# Altium PCB BACKPMANv20.PcbDoc (part 1 of 4) (continued)
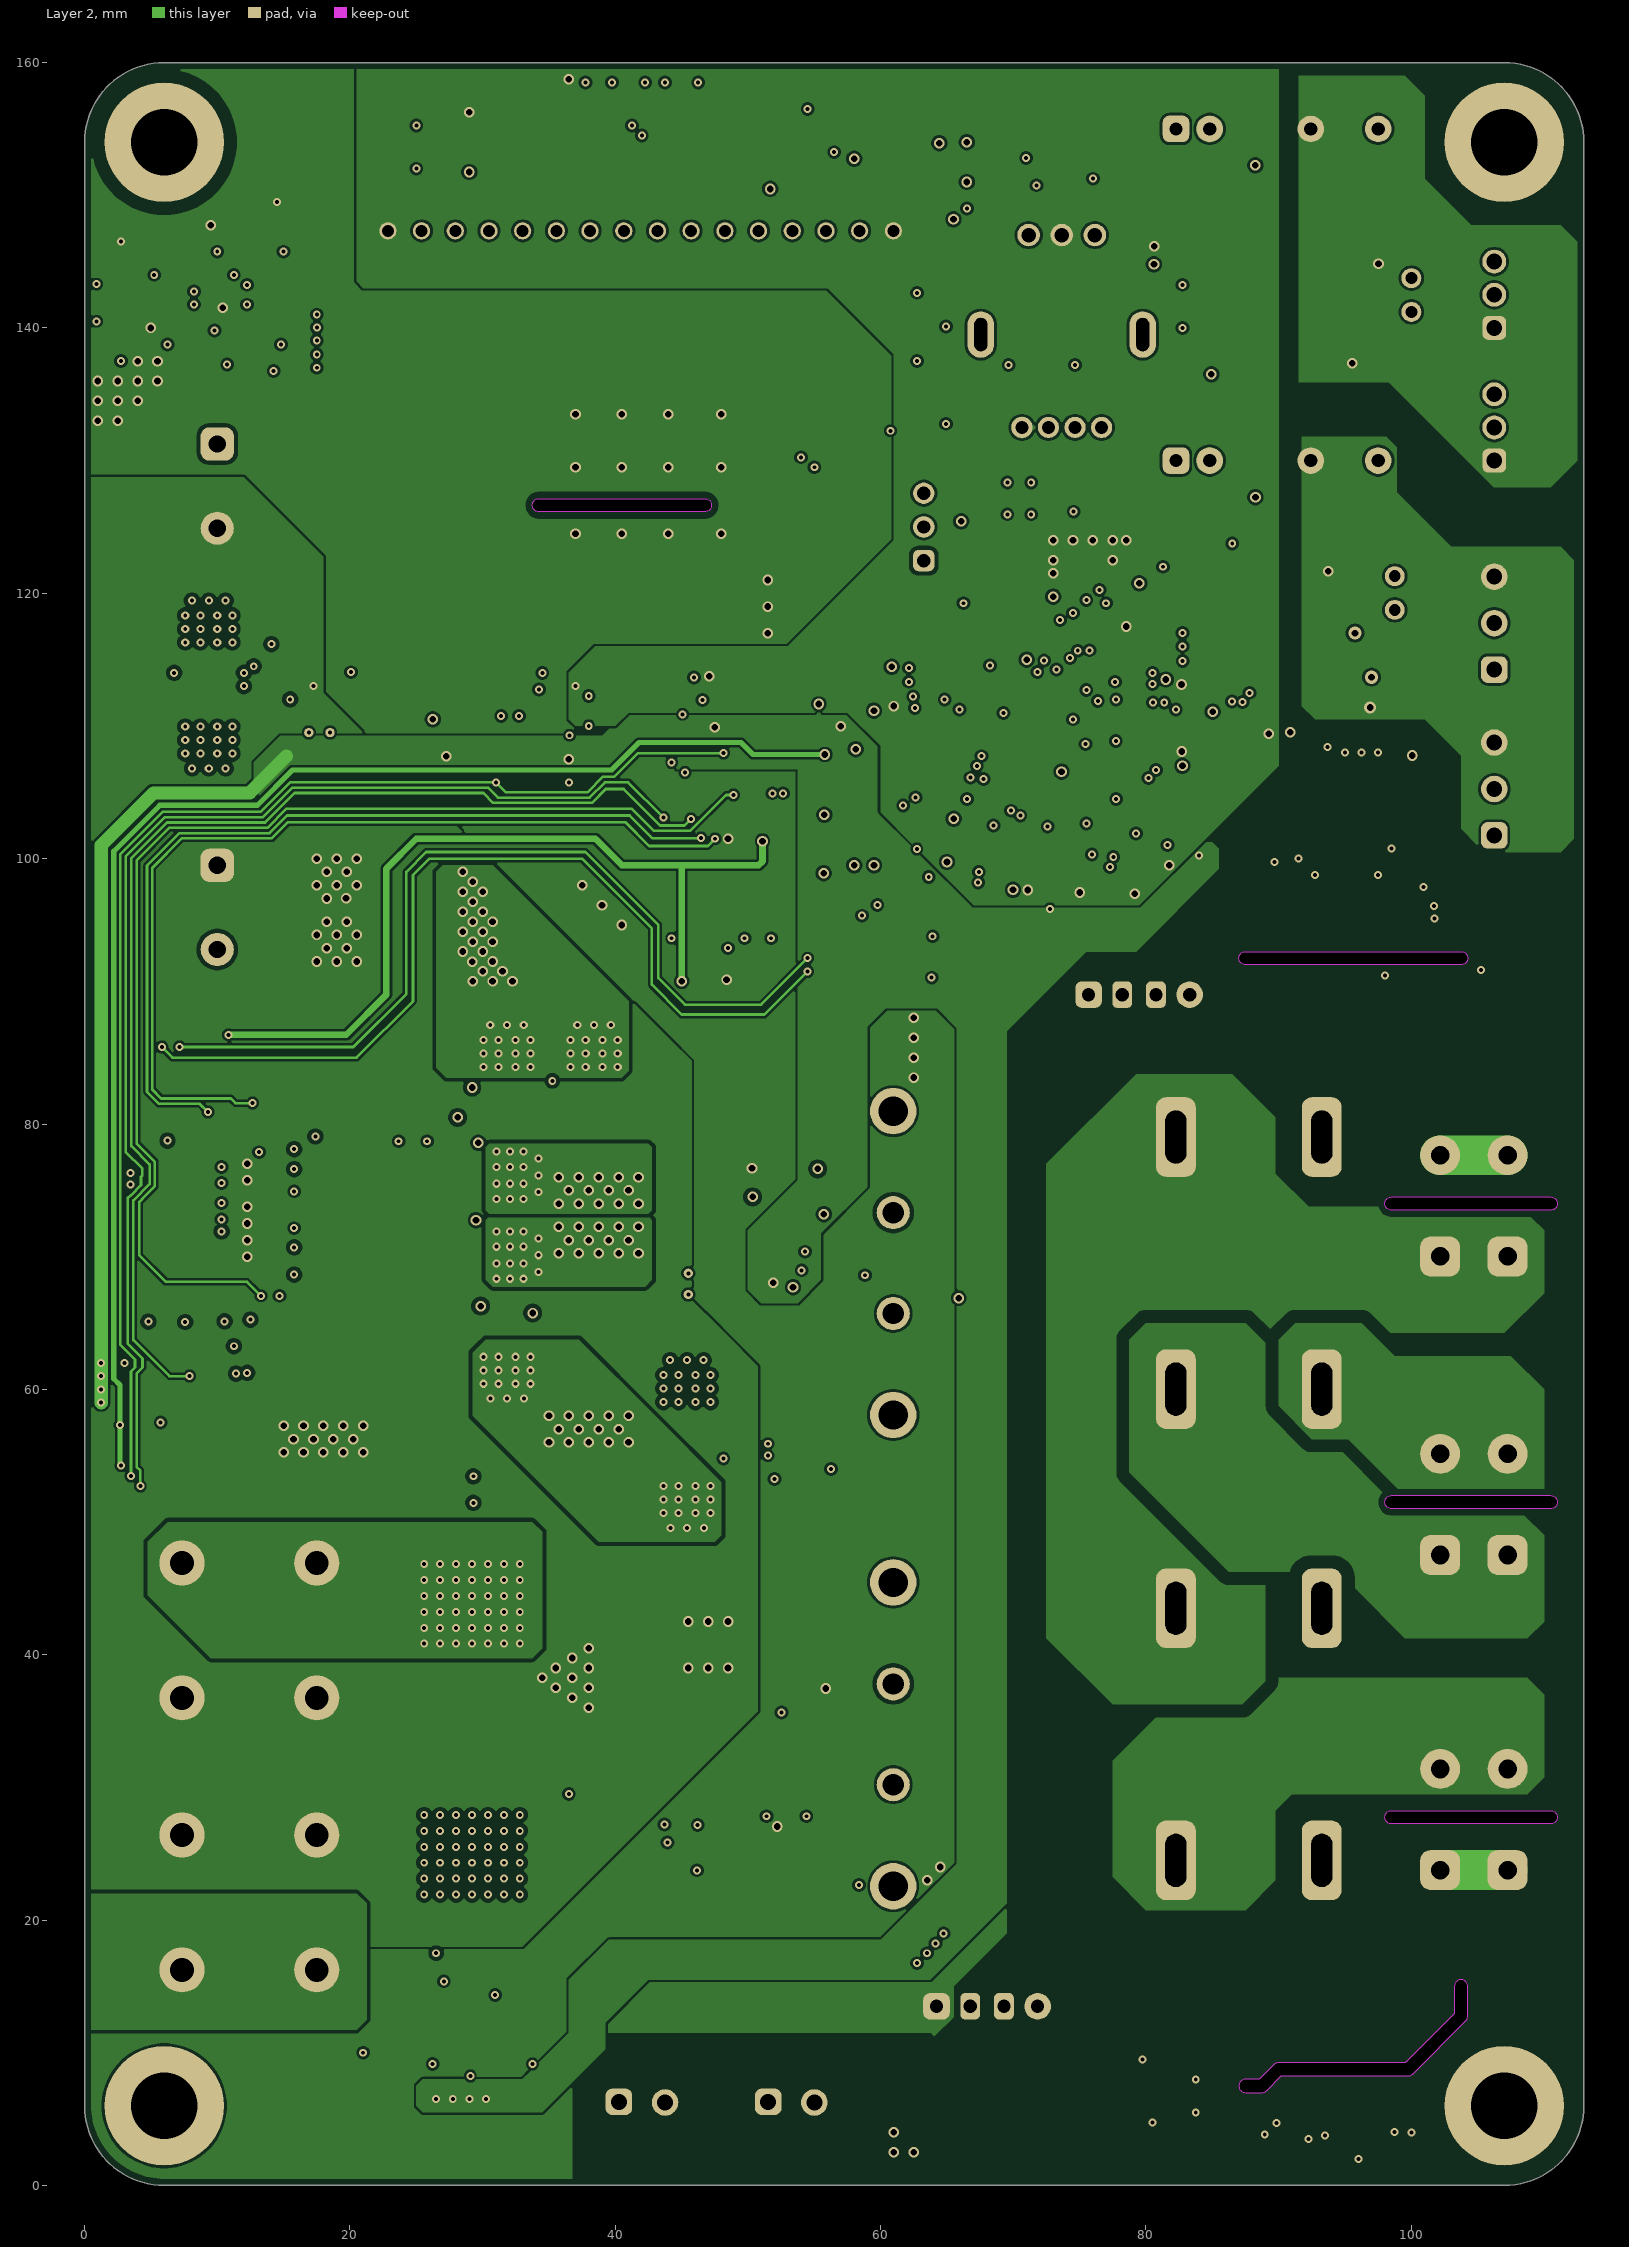
[diagram p3: Layer 2]
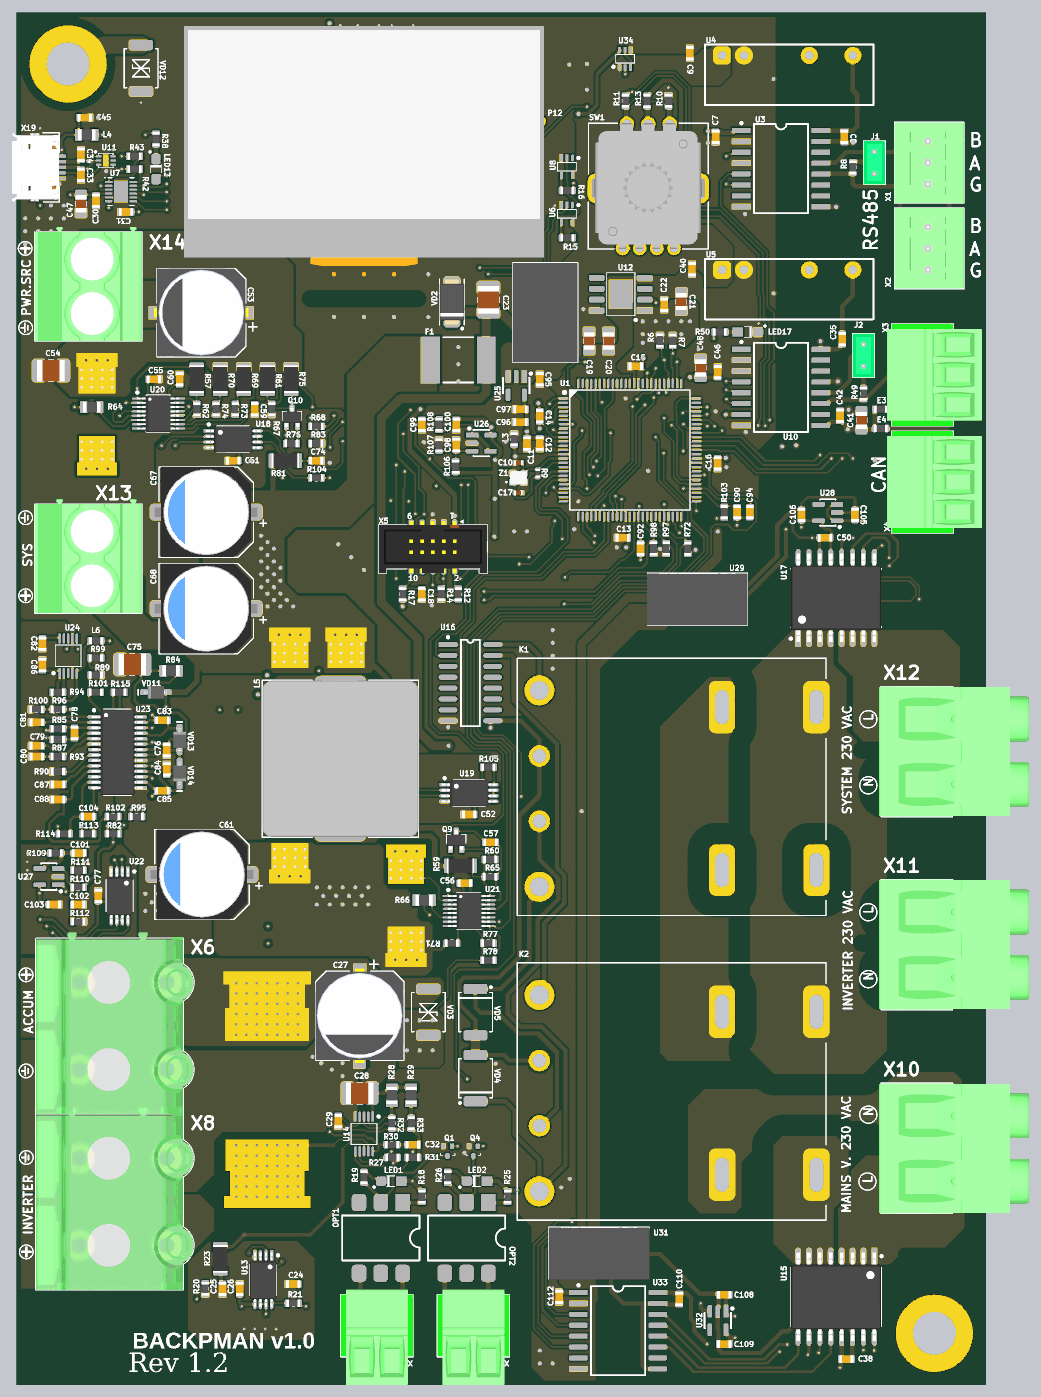
[diagram p7: 3D render of the assembled board from above, using the file's embedded part models]
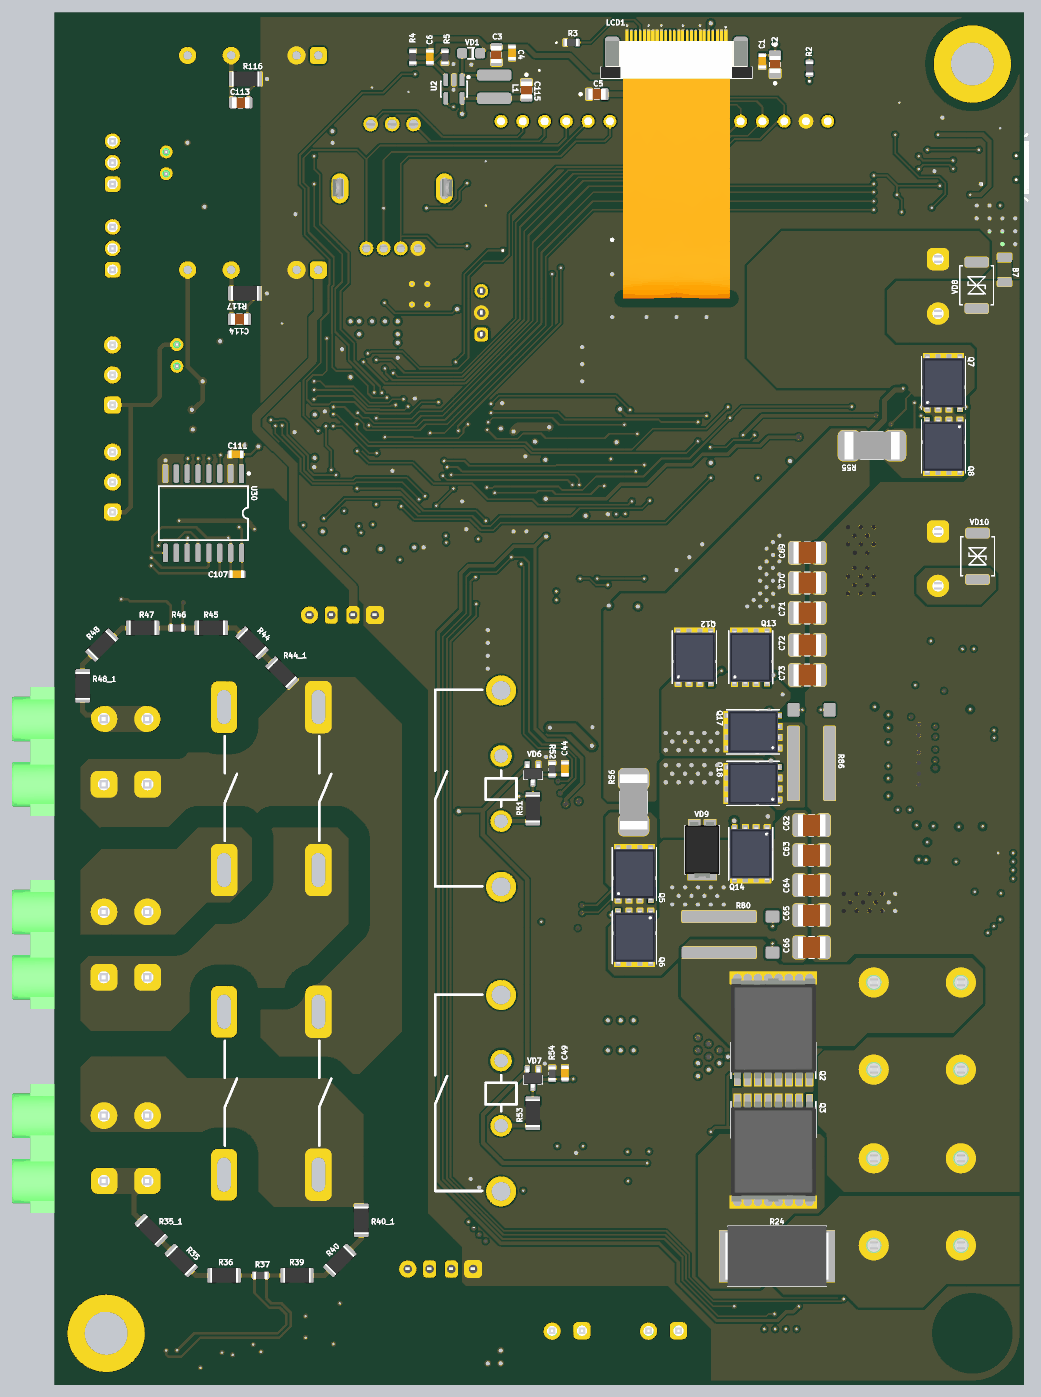
[diagram p8: 3D render of the assembled board from below, using the file's embedded part models]

## Layer stack, top to bottom
Top Solder: solder mask 0.0102, Solder Resist, Dk 3.5
Component Side: signal copper 0.07
Dielectric 2: prepreg 0.2184, PP-023, Dk 4.5
Layer 1: signal copper 0.07
Dielectric 1: core 0.9906, Core-042, Dk 4.6
Layer 2: signal copper 0.07
Dielectric 3: prepreg 0.2184, PP-023, Dk 4.5
Bottom Layer: signal copper 0.07
Solder Side: solder mask 0.0102, Solder Resist, Dk 3.5

## Board outline
0,6 ccw(c6,6) 6,0 107,0 ccw(c107,6) 113,6 113,154 ccw(c107,154) 107,160 6,160 ccw(c6,154) 0,154
cut-out: 87.5,92 cw(c87.5,92.5) 87.5,93 103.75,93 cw(c103.75,92.5) 104.25,92.5 cw(c103.75,92.5) 103.75,92
cut-out: 98.5,73.5 cw(c98.5,74) 98.5,74.5 110.5,74.5 cw(c110.5,74) 111,74 cw(c110.5,74) 110.5,73.5
cut-out: 98.5,51 cw(c98.5,51.5) 98.5,52 110.5,52 cw(c110.5,51.5) 111,51.5 cw(c110.5,51.5) 110.5,51
cut-out: 98.5,27.25 cw(c98.5,27.75) 98.5,28.25 110.5,28.25 cw(c110.5,27.75) 111,27.75 cw(c110.5,27.75) 110.5,27.25
cut-out: 87.5,7 88.75,7 ccw(c88.75,7.5) 89.104,7.146 90.207,8.25 99.75,8.25 ccw(c99.75,8.75) 100.104,8.396 104.104,12.396 cw(c103.75,12.75) 104.104,12.396 ccw(c103.75,12.75) 104.25,12.75 104.25,15 ccw(c103.75,15) 103.25,15 103.25,12.957 99.543,9.25 90,9.25 ccw(c90,8.75) 89.646,9.104 88.543,8 87.5,8 ccw(c87.5,7.5)
cut-out: 34.25,126.142 cw(c34.25,126.642) 34.25,127.143 46.75,127.143 cw(c46.75,126.642) 47.25,126.642 cw(c46.75,126.642) 46.75,126.142

## Design rules (kind name [scope] priority, off if disabled: settings)
BoardOutlineClearance BoardOutlineClearance_TopOverlay [OnLayer('Top Overlay')] p1: gap=0 ignorepadtopadclearanceinfootprint=FALSE
BoardOutlineClearance [All] p2: gap=0.5 ignorepadtopadclearanceinfootprint=FALSE except(0.2: Text-OutlineEdge Text-CavityEdge Text-CutoutEdge Text-SplitBarrior Text-SplitContinuation)
Clearance Clearance_1 [InNet('L1') vs InNet('L1.1')] p1: gap=0.2 ignorepadtopadclearanceinfootprint=FALSE
Clearance Clearance_2 [InNet('L2') vs InNet('L2.1')] p2: gap=0.2 ignorepadtopadclearanceinfootprint=FALSE
Clearance Clearance_3 [InNet('L1') vs InNet('L1_1')] p3: gap=1 ignorepadtopadclearanceinfootprint=FALSE
Clearance Clearance_4 [InNet('L1_1') vs InNet('L1_2')] p4: gap=1 ignorepadtopadclearanceinfootprint=FALSE
Clearance Clearance_5 [InNet('L1_2') vs InNet('L1_3')] p5: gap=1 ignorepadtopadclearanceinfootprint=FALSE
Clearance Clearance_6 [InNet('N1') vs InNet('N1_1')] p6: gap=1 ignorepadtopadclearanceinfootprint=FALSE
Clearance Clearance_7 [InNet('N1_1') vs InNet('N1_2')] p7: gap=1 ignorepadtopadclearanceinfootprint=FALSE
Clearance Clearance_8 [InNet('N1_2') vs InNet('N1_3')] p8: gap=1 ignorepadtopadclearanceinfootprint=FALSE
Clearance Clearance_9 [InNet('N2') vs InNet('N2_1')] p9: gap=1 ignorepadtopadclearanceinfootprint=FALSE
Clearance Clearance_10 [InNet('N2_2') vs InNet('N2_1')] p10: gap=1 ignorepadtopadclearanceinfootprint=FALSE
Clearance Clearance_11 [InNet('N2_2') vs InNet('N2_3')] p11: gap=1 ignorepadtopadclearanceinfootprint=FALSE
Clearance Clearance_12 [InNet('L2') vs InNet('L2_1')] p12: gap=1 ignorepadtopadclearanceinfootprint=FALSE
Clearance Clearance_13 [InNet('L2_2') vs InNet('L2_1')] p13: gap=1 ignorepadtopadclearanceinfootprint=FALSE
Clearance Clearance_14 [InNet('L2_2') vs InNet('L2_3')] p14: gap=1 ignorepadtopadclearanceinfootprint=FALSE
Clearance Clearance_MountHoles [InComponent('H1')] p15: gap=1 ignorepadtopadclearanceinfootprint=FALSE
Clearance Clearance_24V_to_polygom [InNetClass('24V') vs InPolygon] p16: gap=0.3 ignorepadtopadclearanceinfootprint=TRUE
Clearance Clearance_220V_IntLayers [InNetClass('220V') vs OnLayer('Layer 1') or OnLayer('Layer 2')] p17: gap=1 ignorepadtopadclearanceinfootprint=TRUE
Clearance Clearance_220V [InNetClass('220V')] p18: gap=2.5 ignorepadtopadclearanceinfootprint=TRUE except(0.5: Arc-Region Track-Region SMDPad-Region THPad-Region Via-Region Fill-Region Poly-Region Region-Region Region-Text Region-Hole)
Clearance Clearance_24V [InNetClass('24V')] p19: gap=0.24 ignorepadtopadclearanceinfootprint=TRUE
Clearance [All] p20: gap=0.2 ignorepadtopadclearanceinfootprint=FALSE
ComponentClearance [All] p1: gap=0 collisioncheckmode=3 verticalgap=0 showdistances=FALSE
Creepage [InNetClass('220V')] p1: checkdistance=5
Height [All] p1: minheight=0 maxheight=100 prefheight=12.7
HoleSize [All] p1: absolutevalues=TRUE maxlimit=7 minlimit=0.3 maxpercent=80.000 minpercent=20.000
MinimumAnnularRing [All] p1: minimumring=0.15
MinimumSolderMaskSliver [All] p1: minsoldermaskwidth=0.05
PlaneConnect [All] p1: planeconnectstyle=Direct reliefexpansion=0.508 reliefentries=4 reliefconductorwidth=0.254 reliefairgap=0.254
PolygonConnect [All] p1: connectstyle=Direct reliefconductorwidth=0.254 reliefentries=4 polygonreliefangle="90 Angle" airgapwidth=0.254
RoutingVias [All] p1: holewidth=1 width=1.5 viastyle="Through Hole" minholewidth=0.3 minwidth=0.6 maxholewidth=7 maxwidth=10
SMDEntry [All] p1: side=TRUE corner=TRUE anyangle=TRUE
SilkToSilkClearance [All] p1: silktosilkclearance=0
SilkToSolderMaskClearance [IsPad] p1: minsilkscreentomaskgap=0.05 clearancetoexposedcopper=TRUE
SolderMaskExpansion [All] p1: expansion=0.05 istentingtop=FALSE
ViasUnderSMD [All] p1: allowed=FALSE
Width [All] p1: maxlimit=10 minlimit=0.15 preferedwidth=0.4
23 further rules are at their usual default settings.

## Classes and differential pairs
net class 220V: L1 L1.1 L1_1 L1_2 L2 L2.1 L2_1 L2_2 L3 N1 N1_1 N1_2 N2 N2_1 N2_2 N3
net class Isol: CAN0H CAN0L IGND IV5V
net class 5V: +5V NetC30_1 NetC45_1 NetLED1_2 NetLED2_2 NetOPT1_1 NetOPT1_2 NetOPT2_1 NetOPT2_2
net class 24V: ACC_DC_BUS ACC_PWR ACCUM_I+ ACCUM_I- Earth INV_PWR NetB1_1 NetC83_1 NetC85_1 NetC104_1 NetC104_2 NetOPT1_4 NetOPT1_6 NetOPT2_4 NetOPT2_6 NetQ2_2 NetQ5_3 NetQ8_3 PSRC PW2 PW4 PW5 PW9 PWR24F SW1 SW2 SYS_PWR TG1 TG2 VIN VINSNS VOUTSNS

## Components (designator, comment, footprint, x,y, rotation, side; value= is the part's Value field where it differs from the comment)
B1 "Net tie 0.3mm" "Net tee 0.3 mm" 31.25,15 r180 bottom net-tie
B2 "Net tie 0.3mm" "Net tee 0.3 mm" 26.25,15 r0 bottom net-tie
B3 "Net tie 0.3mm" "Net tee 0.3 mm" 11.9,74.75 r180 top net-tie
B7 "Net tie 1206" "NET TEE 1206" 2.25,130 r270 bottom net-tie
C1 "CL10B104KA8NNND" 1608[0603] 30.5,154.325 r90 bottom value="0.1 uF"
C2 "LMK212F106ZG-T" 0805-1206 29,153.9 r270 bottom value="10 uF"
C3 "Capacitor" "0805 CAP" 61.5,155.05 r270 bottom value=10µF
C4 "CL10B104KA8NNND" 1608[0603] 59.675,155.325 r90 bottom value="0.1 uF"
C5 "Capacitor" "0805 CAP" 49.825,150.475 r0 bottom value=10µF
C6 "Capacitor" "0603 CAP" 69.25,154.825 r270 bottom value=2200pF
C7 "Capacitor" "0603 CAP" 81.5,145.5 r270 top value=0.1µF
C8 "Capacitor" "0603 CAP" 96.5,145.5 r90 top value=0.1µF
C9 "Capacitor" "0603 CAP" 78.5,155.25 r270 top value=0.1µF
C10 "CL05C330JB5NNNC" 1005[0402] 58.5,107.5 r180 top value="33 pF"
C11 "CL10B104KA8NNND" 1608[0603] 59.5,109.75 r90 top value="0.1 uF"
C12 "CVNF010K0603" 1608[0603] 61,109.75 r270 top value="10 nF"
C13 "CL10B104KA8NNND" 1608[0603] 70.65,98.75 r0 top value="0.1 uF"
C14 "CL10B104KA8NNND" 1608[0603] 61,112.925 r270 top value="0.1 uF"
C15 "CL10B104KA8NNND" 1608[0603] 72.175,118.75 r180 top value="0.1 uF"
C16 "CL10B104KA8NNND" 1608[0603] 81.725,107.425 r90 top value="0.1 uF"
C17 "CL05C330JB5NNNC" 1005[0402] 58.5,104 r0 top value="33 pF"
C18 "CL10B104KA8NNND" 1608[0603] 47.25,92.175 r90 top value="0.1 uF"
C19 "LMK212F106ZG-T" 0805-1206 66.75,121.75 r90 top value="10 uF"
C20 "LMK212F106ZG-T" 0805-1206 69,121.75 r90 top value="10 uF"
C21 "LMK212F106ZG-T" 0805-1206 77.5,126.25 r270 top value="10 uF"
C22 "CL10B104KA8NNND" 1608[0603] 75.5,125.925 r270 top value="0.1 uF"
C23 "GRM32DF51H106ZA01L" 3225[1210] 55,126.5 r90 top value="10 uF"
C24 "Capacitor" "0603 CAP" 32.25,11.75 r0 top value="1 nF"
C25 "Capacitor" "0603 CAP" 24,11.175 r90 top value=1000pF
C26 "Capacitor" "0603 CAP" 26,11.175 r90 top value=0.1µF
C27 "EEE-FT1H331GP" UUD1V331MNL1GS 40,43 r90 top value="330.0 uF"
C28 "Capacitor" "1210 CAP" 40,34 r180 top value=10µF
C29 "Capacitor" "0603 CAP" 37.5,30.75 r270 top value=0.1µF
C30 "CL10B104KA8NNND" 1608[0603] 9.25,138.075 r270 top value="0.1 uF"
C31 "CL10B104KA8NNND" 1608[0603] 12.75,136.75 r180 top value="0.1 uF"
C32 "CVNF010K0603" 1608[0603] 46.175,28 r0 top value="10 nF"
C33 "C1608NP01H470J080AA" 1608[0603] 7.5,141.075 r270 top value="47 pF"
C34 "C1608NP01H470J080AA" 1608[0603] 7.5,143.425 r90 top value="47 pF"
C35 "CL10B104KA8NNND" 1608[0603] 96.25,121.925 r90 top value="0.1 uF"
C38 "Capacitor" "0603 CAP" 96.75,3 r0 top value=0.1µF
C40 "CL10B104KA8NNND" 1608[0603] 78.75,130.075 r90 top value="0.1 uF"
C41 "LMK212F106ZG-T" 0805-1206 98.5,112.5 r90 top value="10 uF"
C42 "CL10B104KA8NNND" 1608[0603] 96,113 r90 top value="0.1 uF"
C44 "CVNF010K0603" 1608[0603] 53.5,71.825 r90 bottom value="10 nF"
C45 "CL10B104KA8NNND" 1608[0603] 7.925,147.75 r0 top value="0.1 uF"
C46 "CL10B104KA8NNND" 1608[0603] 81.75,118.075 r270 top value="0.1 uF"
C47 "GRM21BR60J106KE19L" 0805-1206 7.5,137.65 r270 top value="10 uF"
C48 "LMK212F106ZG-T" 0805-1206 79.75,118.5 r270 top value="10 uF"
C49 "CVNF010K0603" 1608[0603] 53.5,36.325 r90 bottom value="10 nF"
C50 "Capacitor" "0603 CAP" 94.25,98.75 r180 top value=0.1µF
C51 "Capacitor" "0603 CAP" 25.25,107.75 r180 top value=0.1µF
C52 "Capacitor" "0603 CAP" 52.75,66.5 r180 top value=0.1µF
C53 "EEE-FT1H331GP" UUD1V331MNL1GS 21.5,125 r0 top value="330.0 uF"
C54 "Capacitor" "1210 CAP" 4,118.25 r180 top value=10µF
C55 "Capacitor" "0603 CAP" 16,117.25 r180 top value=1000pF
C56 "Capacitor" "0603 CAP" 52.25,58.5 r180 top value=1000pF
C57 "Capacitor" "0603 CAP" 55.25,63.25 r180 top value=0.1µF
C59 "Capacitor" "0603 CAP" 27.75,113.75 r90 top value=1000pF
C60 "Capacitor" "0603 CAP" 19,117.25 r270 top value=1µF
C61 "EEH-ZS1H221P" "Panasonic G" 25.95,59.5 r180 top value="220 uF"
C62 "Capacitor" "1210 CAP" 24.75,65.25 r180 bottom value=10µF
C63 "Capacitor" "1210 CAP" 24.75,61.75 r180 bottom value=10µF
C64 "Capacitor" "1210 CAP" 24.75,58.25 r180 bottom value=10µF
C65 "Capacitor" "1210 CAP" 24.75,54.75 r180 bottom value=10µF
C66 "Capacitor" "1210 CAP" 24.75,51 r180 bottom value=10µF
C67 "EEH-ZS1H221P" "Panasonic G" 26.45,101.75 r180 top value="220 uF"
C68 "EEH-ZS1H221P" "Panasonic G" 26.45,90.5 r180 top value="220 uF"
C69 "Capacitor" "1210 CAP" 25.25,97 r180 bottom value=10µF
C70 "Capacitor" "1210 CAP" 25.25,93.5 r180 bottom value=10µF
C71 "Capacitor" "1210 CAP" 25.25,90 r180 bottom value=10µF
C72 "Capacitor" "1210 CAP" 25.25,86.25 r180 bottom value=10µF
C73 "Capacitor" "1210 CAP" 25.25,82.75 r180 bottom value=10µF
C74 "Capacitor" "0603 CAP" 34.925,107.75 r180 top value=1000pF
C75 "Capacitor" "1210 CAP" 13.5,84 r180 top value=10µF
C76 "Capacitor" "0603 CAP" 17.5,74 r270 top value=0.1µF
C77 "Capacitor" "0603 CAP" 9.5,57 r90 top value=0.1µF
C78 "Capacitor" "0603 CAP" 6.75,76 r270 top value=33pF
C79 "Capacitor" "0603 CAP" 2.325,74.5 r0 top value=30pF
C80 "Capacitor" "0603 CAP" 2.325,73.25 r0 top value=10n
C81 "Capacitor" "0603 CAP" 2.325,77.25 r0 top value=10n
C82 "Capacitor" "0603 CAP" 3,86.425 r90 top value=0.22µF
C83 "Capacitor" "0603 CAP" 17,77.5 r180 top value=0.22µF
C84 "Capacitor" "0603 CAP" 17.5,71.75 r90 top value=10µF
C85 "Capacitor" "0603 CAP" 17,69.25 r180 top value=0.22µF
C86 "Capacitor" "0603 CAP" 3,83.925 r90 top value=0.1µF
C87 "Capacitor" "0603 CAP" 4.825,70 r180 top value=0.1µF
C88 "Capacitor" "0603 CAP" 4.825,68.25 r180 top value=0.1µF
C90 "Capacitor" "0603 CAP" 84,101.75 r90 top value="1 nF"
C92 "Capacitor" "0603 CAP" 72.75,97.5 r90 top value="1 nF"
C94 "Capacitor" "0603 CAP" 85.5,101.75 r90 top value="1 nF"
C95 "Capacitor" "0603 CAP" 61,117.25 r90 top value=1µF
C96 "Capacitor" "0603 CAP" 58.75,112.25 r0 top value=1µF
C97 "Capacitor" "0603 CAP" 58.75,113.75 r180 top value=0.1µF
C98 "Capacitor" "0603 CAP" 51.25,109.575 r90 top value=0.1µF
C99 "Capacitor" "0603 CAP" 47.25,111.925 r270 top value="1 nF"
C100 "Capacitor" "0603 CAP" 51.25,111.925 r270 top value=1µF
C101 "Capacitor" "0603 CAP" 7.25,62 r180 top value=0.047µF
C102 "Capacitor" "0603 CAP" 7.175,56 r0 top value=0.047µF
C103 "Capacitor" "0603 CAP" 4.325,56 r0 top value=0.1µF
C104 "Capacitor" "0603 CAP" 8.325,66.25 r180 top value=1µF
C105 "Capacitor" "0603 CAP" 97.75,101.425 r90 top value=1µF
C106 "Capacitor" "0603 CAP" 91.5,101.425 r90 top value=1µF
C107 "Capacitor" "0603 CAP" 91.75,94.5 r180 bottom value=0.1µF
C108 "Capacitor" "0603 CAP" 82.5,10.5 r180 top value=1µF
C109 "Capacitor" "0603 CAP" 82.5,4.75 r180 top value=1µF
C110 "Capacitor" "0603 CAP" 77.25,10 r90 top value=0.1µF
C111 "Capacitor" "0603 CAP" 91.875,108.5 r180 bottom value=0.1µF
C112 "Capacitor" "0603 CAP" 63.25,10.25 r90 top value=0.1µF
C113 "C0805V472KDRACTU" "0805 CAP" 91.25,149.5 r180 bottom value=4.7n
C114 "C0805V472KDRACTU" "0805 CAP" 91.4,124.25 r180 bottom value=4.7n
C115 "Capacitor" "0805 CAP" 58,151 r90 bottom value=10µF
E3 "823 560 505 60" 0603 100.75,113.75 r0 top
E4 "823 560 505 60" 0603 100.75,111.5 r0 top
F1 "0ZCF0075AF2C" "2920 (7351 Metric)" 51.5,119.5 r0 top value=1.5A
H1 "Hole 5MM Plated" "HOLE_5MM plated"#1 6,154 r0 top
H2 "Hole 5MM Plated" "HOLE_5MM plated"#2 129.8,135.8 r0 top
H3 "Hole 5MM Plated" "HOLE_5MM plated"#3 116.5,-2.8 r0 top
H4 "Hole 5MM Plated" "HOLE_5MM plated"#4 -7,0.3 r0 top
J1 "PH1-02-TA-HT" HDR1X2V 100,143.75 r270 top
J2 "PH1-02-TA-HT" HDR1X2V 98.75,118.75 r90 top
K1 "AHES4292" AHES4292 60.95,69.518 r90 top locked
K2 "AHES4292" AHES4292 60.95,34 r90 top
L1 "VLS4012ET-100M" VLS4012ET 61.75,150 r90 bottom value="10 uH"
L3 "BLM18SG331TN1D" 0603 58,110.25 r90 top value="330 Ohm, 100 MHz"
L4 "MPZ2012S601AT000" 0805 8.175,145.75 r0 top value="600 Ohm @ 100MHz"
L5 "7443556260" "7443556260   Wurth Elektronik" 37.75,73 r270 top value="2.6 uH"
L6 "BLM18SG331TN1D" 0603 9.25,86.75 r0 top value="330 Ohm, 100 MHz"
LCD1 "ER-OLED015-2W" ER-OLED015-2 34.75,157.25 r180 bottom locked
LED1 "SML-211UTT86" "0805 LED"#1 43.675,23.75 r180 top value=Red
LED2 "SML-211UTT86" "0805 LED"#1 53.675,23.75 r180 top value=Red
LED13 "SML-211UTT86" "0805 LED"#2 16.25,141.75 r90 top value=Red
LED17 "SML-211UTT86" "0805 LED"#1 85.25,122.75 r0 top value=Red
OPT1 "VO14642AABTR" "DIP-6 SMD" 42.46,17.125 r180 top
OPT2 "VO14642AABTR" "DIP-6 SMD" 52.46,17.125 r180 top
P1 "Pin 0.9 mm" "PIN 0.9 MM" 22.86,147.32 r0 top net-tie
P2 "Pin 0.9 mm" "PIN 0.9 MM" 40.64,147.32 r0 top net-tie
P3 "Pin 0.9 mm" "PIN 0.9 MM" 43.18,147.32 r0 top net-tie
P4 "Pin 0.9 mm" "PIN 0.9 MM" 27.94,147.32 r0 top net-tie
P5 "Pin 0.9 mm" "PIN 0.9 MM" 30.48,147.32 r0 top net-tie
P6 "Pin 0.9 mm" "PIN 0.9 MM" 33.02,147.32 r0 top net-tie
P7 "Pin 0.9 mm" "PIN 0.9 MM" 35.56,147.32 r0 top net-tie
P8 "Pin 0.9 mm" "PIN 0.9 MM" 38.1,147.32 r0 top net-tie
P9 "Pin 0.9 mm" "PIN 0.9 MM" 25.4,147.32 r0 top net-tie
P10 "Pin 0.9 mm" "PIN 0.9 MM" 58.42,147.32 r0 top net-tie
P11 "Pin 0.9 mm" "PIN 0.9 MM" 55.88,147.32 r0 top net-tie
P12 "Pin 0.9 mm" "PIN 0.9 MM" 60.96,147.32 r0 top net-tie
P13 "Pin 0.9 mm" "PIN 0.9 MM" 53.34,147.32 r0 top net-tie
P14 "Pin 0.9 mm" "PIN 0.9 MM" 50.8,147.32 r0 top net-tie
P15 "Pin 0.9 mm" "PIN 0.9 MM" 48.26,147.32 r0 top net-tie
P16 "Pin 0.9 mm" "PIN 0.9 MM" 45.72,147.32 r0 top net-tie
Q1 "FJY3002R" SOT-523F 50.25,27.25 r270 top
Q2 "IPT007N06N" "PG-HSOF-8-1 (8-PowerSFN) Infineon" 33.4,36.25 r180 bottom
Q3 "IPT007N06N" "PG-HSOF-8-1 (8-PowerSFN) Infineon" 25,32.5 r0 bottom
Q4 "FJY3002R" SOT-523F 53.25,27.25 r270 top
Q5 "NVMFS5C604NL" "SO8FL Universal Footprint" 47.31,56.75 r180 bottom
Q6 "NVMFS5C604NL" "SO8FL Universal Footprint" 43.5,55 r0 bottom
Q7 "NVMFS5C604NL" "SO8FL Universal Footprint" 11.27,114 r180 bottom
Q8 "NVMFS5C604NL" "SO8FL Universal Footprint" 7.46,112.25 r0 bottom
Q9 "BSS123WQ-7-F" SOT323-3 51.25,63.5 r90 top
Q10 "BSS123WQ-7-F" SOT323-3 32.1,112.8 r90 top
Q12 "IPZ40N04S5L" "SO8FL Universal Footprint" 40.31,82 r180 bottom
Q13 "IPZ40N04S5L" "SO8FL Universal Footprint" 33.75,82 r180 bottom
Q14 "CSD18540Q5BT" "SO8FL Universal Footprint" 29.94,64.75 r0 bottom
Q17 "CSD18540Q5BT" "SO8FL Universal Footprint" 28.75,74.23 r90 bottom
Q18 "IPZ40N04S5L" "SO8FL Universal Footprint" 28.75,68.21 r90 bottom
R2 "RC0603FR-070RL" 0603 25,153.5 r270 bottom value="0 R"
R3 "Resistor" 0603 52.75,156.5 r180 bottom value="910 k"
R4 "Resistor" 0603 71.25,154.8 r90 bottom value="220 k"
R5 "Resistor" 0603 67.5,154.8 r270 bottom value="24.9 k"
R6 "Resistor" 0603 75,121.75 r90 top value="4.7 k"
R7 "Resistor" 0603 76.5,121.75 r270 top value="4.7 k"
R8 "Resistor" 0603 97.5,141.95 r270 top value=120
R9 "RC0402FR-071ML" 0402 60.75,106.275 r270 top value="1 M"
R10 "RL0603K010-1" 0603 76,149.7 r90 top value="10 K"
R11 "RL0603K010-1" 0603 71,149.7 r90 top value="10 K"
R12 "RL0603K010-1" 0603 51.5,92.2 r270 top value="10 K"
R13 "RL0603K010-1" 0603 73.5,149.7 r270 top value="10 K"
R14 "RL0603K010-1" 0603 49.5,92.2 r270 top value="10 K"
R15 "Resistor" 0603 64.2,133.75 r0 top value=120
R16 "Resistor" 0603 64.2,139.25 r0 top value=120
R17 "RL0603K010-1" 0603 45,92.2 r270 top value="10 K"
R18 "Resistor" 0603 47.25,21.95 r270 top value="1.5 k"
R19 "RL0603K001-1" 0603 40.5,24.2 r90 top value="1 K"
R20 "Resistor" 0603 22,11.2 r90 top value="4.7 k"
R21 "Resistor" 0603 32.25,9.5 r0 top value="1 k"
R23 "Resistor" 1206 23.75,14.675 r90 top value="100 k"
R24 "WSR51L000FEA" WSR52L000FEA 24.04,15 r0 bottom value=0.001
R25 "Resistor" 0603 57.25,21.95 r270 top value="1.5 k"
R26 "RL0603K001-1" 0603 50.25,24.2 r90 top value="1 K"
R27 "Resistor" 0603 43.8,26.5 r0 top value="10 k"